# KiCad board SparkFun_GNSS_ZED-X20P_panelized.kicad_pcb (continued)
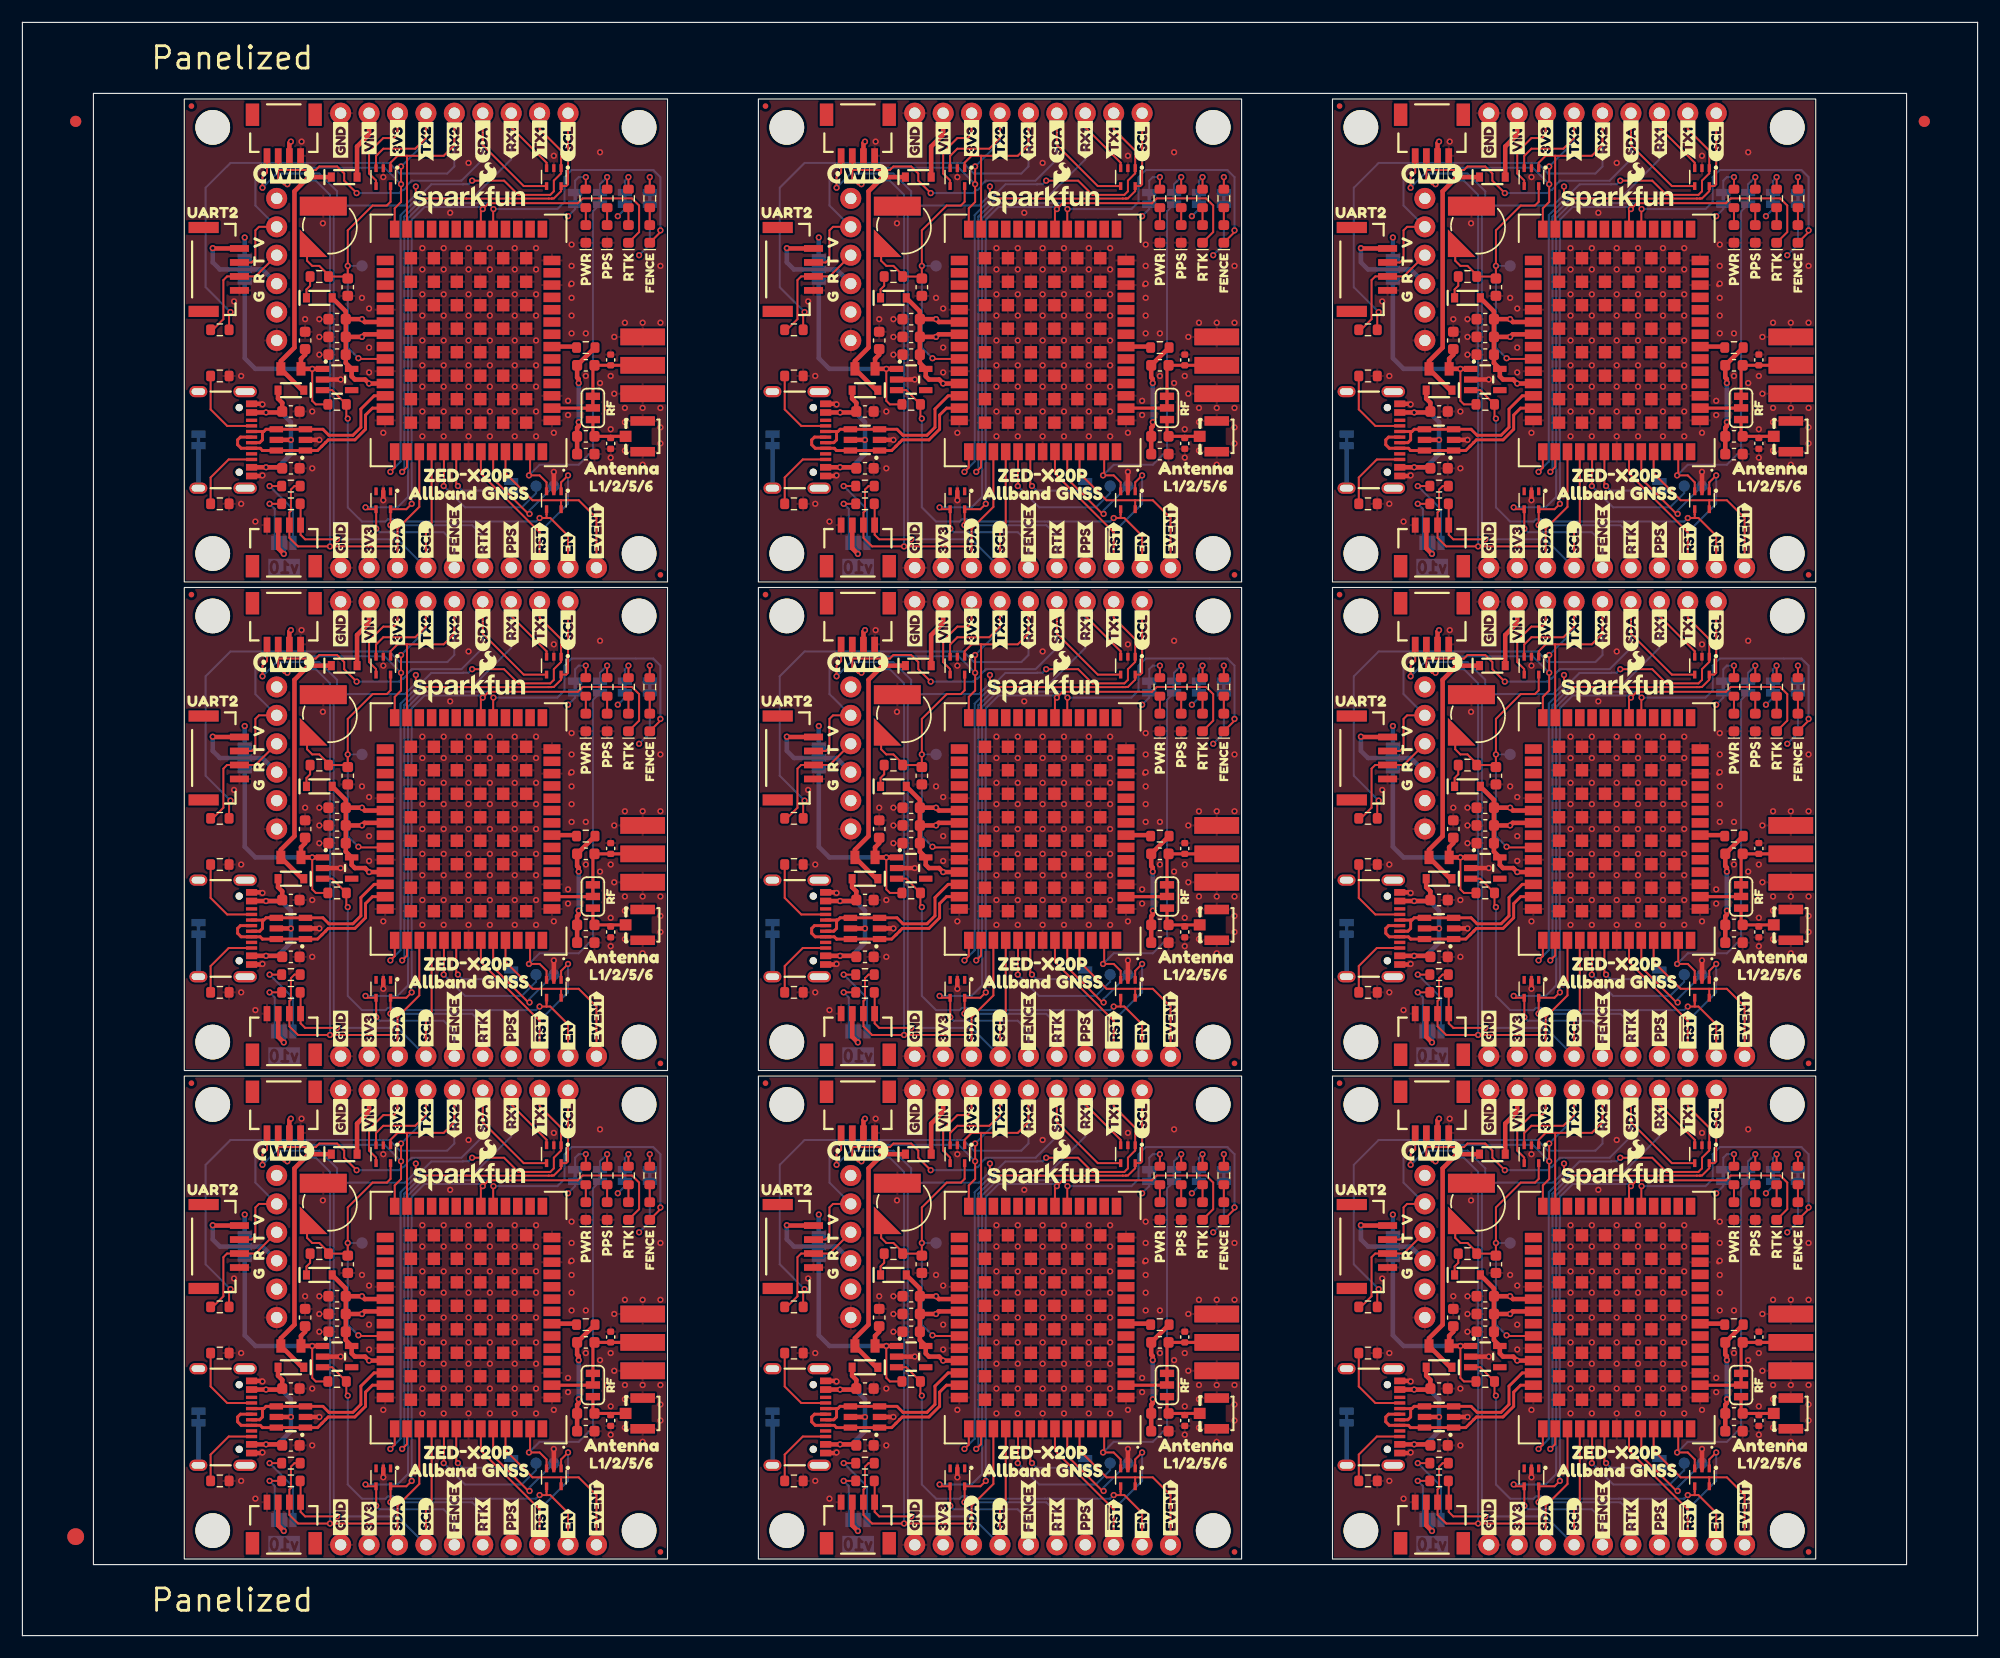
[diagram p0: board, top side]
## Nets (continued)
GND: BT1.- BT1#2.- BT1#3.- BT1#4.- BT1#5.- BT1#6.- BT1#7.- BT1#8.- BT1#9.- C1.2 C1#2.2 C1#3.2 C1#4.2 C1#5.2 C1#6.2 C1#7.2 C1#8.2 C1#9.2 C2.2 C2#2.2 C2#3.2 C2#4.2 C2#5.2 C2#6.2 C2#7.2 C2#8.2 C2#9.2 C3.2 C3#2.2 C3#3.2 C3#4.2 C3#5.2 C3#6.2 C3#7.2 C3#8.2 C3#9.2 C5.2 C5#2.2 C5#3.2 C5#4.2 C5#5.2 C5#6.2 C5#7.2 C5#8.2 C5#9.2 C7.2 C7#2.2 C7#3.2 C7#4.2 C7#5.2 C7#6.2 C7#7.2 C7#8.2 C7#9.2 C8.2 C8#2.2 C8#3.2 C8#4.2 C8#5.2 C8#6.2 C8#7.2 C8#8.2 C8#9.2 C9.2 C9#2.2 C9#3.2 C9#4.2 C9#5.2 C9#6.2 C9#7.2 C9#8.2 C9#9.2 C13.2 C13#2.2 C13#3.2 C13#4.2 C13#5.2 C13#6.2 C13#7.2 C13#8.2 C13#9.2 D1.1 D1#2.1 D1#3.1 D1#4.1 D1#5.1 D1#6.1 D1#7.1 D1#8.1 D1#9.1 D3.1 D3#2.1 D3#3.1 D3#4.1 D3#5.1 D3#6.1 D3#7.1 D3#8.1 D3#9.1 D4.1 D4#2.1 D4#3.1 D4#4.1 D4#5.1 D4#6.1 D4#7.1 D4#8.1 D4#9.1 D8.2 D8#2.2 D8#3.2 D8#4.2 D8#5.2 D8#6.2 D8#7.2 D8#8.2 D8#9.2 D10.2 D10#2.2 D10#3.2 D10#4.2 D10#5.2 D10#6.2 D10#7.2 D10#8.2 D10#9.2 D12.2 D12#2.2 D12#3.2 D12#4.2 D12#5.2 D12#6.2 D12#7.2 D12#8.2 D12#9.2 D13.2 D13#2.2 D13#3.2 D13#4.2 D13#5.2 D13#6.2 D13#7.2 D13#8.2 D13#9.2 D14.1 D14#2.1 D14#3.1 D14#4.1 D14#5.1 D14#6.1 D14#7.1 D14#8.1 D14#9.1 J1.GND J1#2.GND J1#3.GND J1#4.GND J1#5.GND J1#6.GND J1#7.GND J1#8.GND J1#9.GND J2.6 J2#2.6 J2#3.6 J2#4.6 J2#5.6 J2#6.6 J2#7.6 J2#8.6 J2#9.6 J3.9 J3#2.9 J3#3.9 J3#4.9 J3#5.9 J3#6.9 J3#7.9 J3#8.9 J3#9.9 J4.1 J4#2.1 J4#3.1 J4#4.1 J4#5.1 J4#6.1 J4#7.1 J4#8.1 J4#9.1 J5.2 J5#2.2 J5#3.2 J5#4.2 J5#5.2 J5#6.2 J5#7.2 J5#8.2 J5#9.2 J7.1 J7#2.1 J7#3.1 J7#4.1 J7#5.1 J7#6.1 J7#7.1 J7#8.1 J7#9.1 J8.4 J8#2.4 J8#3.4 J8#4.4 J8#5.4 J8#6.4 J8#7.4 J8#8.4 J8#9.4 J9.1 J9#2.1 J9#3.1 J9#4.1 J9#5.1 J9#6.1 J9#7.1 J9#8.1 J9#9.1 J10.2 J10#2.2 J10#3.2 J10#4.2 J10#5.2 J10#6.2 J10#7.2 J10#8.2 J10#9.2 JP7.1 JP7#2.1 JP7#3.1 JP7#4.1 JP7#5.1 JP7#6.1 JP7#7.1 JP7#8.1 JP7#9.1 JP10.1 JP10#2.1 JP10#3.1 JP10#4.1 JP10#5.1 JP10#6.1 JP10#7.1 JP10#8.1 JP10#9.1 R1.1 R1#2.1 R1#3.1 R1#4.1 R1#5.1 R1#6.1 R1#7.1 R1#8.1 R1#9.1 R2.1 R2#2.1 R2#3.1 R2#4.1 R2#5.1 R2#6.1 R2#7.1 R2#8.1 R2#9.1 U1.2 U1#2.2 U1#3.2 U1#4.2 U1#5.2 U1#6.2 U1#7.2 U1#8.2 U1#9.2 U2.2 U2#2.2 U2#3.2 U2#4.2 U2#5.2 U2#6.2 U2#7.2 U2#8.2 U2#9.2 U5.1 U5.3 U5.12 U5.14 U5.32 U5.37 U5.41 U5.48 U5.55 U5.56 U5.57 U5.58 U5.59 U5.60 U5.61 U5.62 U5.63 U5.64 U5.65 U5.66 U5.67 U5.68 U5.69 U5.70 U5.71 U5.72 U5.73 U5.74 U5.75 U5.76 U5.77 U5.78 U5.79 U5.80 U5.81 U5.82 U5.83 U5.84 U5.85 U5.86 U5.87 U5.88 U5.89 U5.90 U5.91 U5.92 U5.93 U5.94 U5.95 U5.96 U5.97 U5.98 U5.99 U5.100 U5.101 U5.102 U5#2.1 U5#2.3 U5#2.12 U5#2.14 U5#2.32 U5#2.37 U5#2.41 U5#2.48 U5#2.55 U5#2.56 U5#2.57 U5#2.58 U5#2.59 U5#2.60 U5#2.61 U5#2.62 U5#2.63 U5#2.64 U5#2.65 U5#2.66 U5#2.67 U5#2.68 U5#2.69 U5#2.70 U5#2.71 U5#2.72 U5#2.73 U5#2.74 U5#2.75 U5#2.76 U5#2.77 U5#2.78 U5#2.79 U5#2.80 U5#2.81 U5#2.82 U5#2.83 U5#2.84 U5#2.85 U5#2.86 U5#2.87 U5#2.88 U5#2.89 U5#2.90 U5#2.91 U5#2.92 U5#2.93 U5#2.94 U5#2.95 U5#2.96 U5#2.97 U5#2.98 U5#2.99 U5#2.100 U5#2.101 U5#2.102 U5#3.1 U5#3.3 U5#3.12 U5#3.14 U5#3.32 U5#3.37 U5#3.41 U5#3.48 U5#3.55 U5#3.56 U5#3.57 U5#3.58 U5#3.59 U5#3.60 U5#3.61 U5#3.62 U5#3.63 U5#3.64 U5#3.65 U5#3.66 U5#3.67 U5#3.68 U5#3.69 U5#3.70 U5#3.71 U5#3.72 U5#3.73 U5#3.74 U5#3.75 U5#3.76 U5#3.77 U5#3.78 U5#3.79 U5#3.80 U5#3.81 U5#3.82 U5#3.83 U5#3.84 U5#3.85 U5#3.86 U5#3.87 U5#3.88 U5#3.89 U5#3.90 U5#3.91 U5#3.92 U5#3.93 U5#3.94 U5#3.95 U5#3.96 U5#3.97 U5#3.98 U5#3.99 U5#3.100 U5#3.101 U5#3.102 U5#4.1 U5#4.3 U5#4.12 U5#4.14 U5#4.32 U5#4.37 U5#4.41 U5#4.48 U5#4.55 U5#4.56 U5#4.57 U5#4.58 U5#4.59 U5#4.60 U5#4.61 U5#4.62 U5#4.63 U5#4.64 U5#4.65 U5#4.66 U5#4.67 U5#4.68 U5#4.69 U5#4.70 U5#4.71 U5#4.72 U5#4.73 U5#4.74 U5#4.75 U5#4.76 U5#4.77 U5#4.78 U5#4.79 U5#4.80 U5#4.81 U5#4.82 U5#4.83 U5#4.84 U5#4.85 U5#4.86 U5#4.87 U5#4.88 U5#4.89 U5#4.90 U5#4.91 U5#4.92 U5#4.93 U5#4.94 U5#4.95 U5#4.96 U5#4.97 U5#4.98 U5#4.99 U5#4.100 U5#4.101 U5#4.102 U5#5.1 U5#5.3 U5#5.12 U5#5.14 U5#5.32 U5#5.37 U5#5.41 U5#5.48 U5#5.55 U5#5.56 U5#5.57 U5#5.58 U5#5.59 U5#5.60 U5#5.61 U5#5.62 U5#5.63 U5#5.64 U5#5.65 U5#5.66 U5#5.67 U5#5.68 U5#5.69 U5#5.70 U5#5.71 U5#5.72 U5#5.73 U5#5.74 U5#5.75 U5#5.76 U5#5.77 U5#5.78 U5#5.79 U5#5.80 U5#5.81 U5#5.82 U5#5.83 U5#5.84 U5#5.85 U5#5.86 U5#5.87 U5#5.88 U5#5.89 U5#5.90 U5#5.91 U5#5.92 U5#5.93 U5#5.94 U5#5.95 U5#5.96 U5#5.97 U5#5.98 U5#5.99 U5#5.100 U5#5.101 U5#5.102 U5#6.1 U5#6.3 U5#6.12 U5#6.14 U5#6.32 U5#6.37 U5#6.41 U5#6.48 U5#6.55 U5#6.56 U5#6.57 U5#6.58 U5#6.59 U5#6.60 U5#6.61 U5#6.62 U5#6.63 U5#6.64 U5#6.65 U5#6.66 U5#6.67 U5#6.68 U5#6.69 U5#6.70 U5#6.71 U5#6.72 U5#6.73 U5#6.74 U5#6.75 U5#6.76 U5#6.77 U5#6.78 U5#6.79 U5#6.80 U5#6.81 U5#6.82 U5#6.83 U5#6.84 U5#6.85 U5#6.86 U5#6.87 U5#6.88 U5#6.89 U5#6.90 U5#6.91 U5#6.92 U5#6.93 U5#6.94 U5#6.95 U5#6.96 U5#6.97 U5#6.98 U5#6.99 U5#6.100 U5#6.101 U5#6.102 U5#7.1 U5#7.3 U5#7.12 U5#7.14 U5#7.32 U5#7.37 U5#7.41 U5#7.48 U5#7.55 U5#7.56 U5#7.57 U5#7.58 U5#7.59 U5#7.60 U5#7.61 U5#7.62 U5#7.63 U5#7.64 U5#7.65 U5#7.66 U5#7.67 U5#7.68 U5#7.69 U5#7.70 U5#7.71 U5#7.72 U5#7.73 U5#7.74 U5#7.75 U5#7.76 U5#7.77 U5#7.78 U5#7.79 U5#7.80 U5#7.81 U5#7.82 U5#7.83 U5#7.84 U5#7.85 U5#7.86 U5#7.87 U5#7.88 U5#7.89 U5#7.90 U5#7.91 U5#7.92 U5#7.93 U5#7.94 U5#7.95 U5#7.96 U5#7.97 U5#7.98 U5#7.99 U5#7.100 U5#7.101 U5#7.102 U5#8.1 U5#8.3 U5#8.12 U5#8.14 U5#8.32 U5#8.37 U5#8.41 U5#8.48 U5#8.55 U5#8.56 U5#8.57 U5#8.58 U5#8.59 U5#8.60 U5#8.61 U5#8.62 U5#8.63 U5#8.64 U5#8.65 U5#8.66 U5#8.67 U5#8.68 U5#8.69 U5#8.70 U5#8.71 U5#8.72 U5#8.73 U5#8.74 U5#8.75 U5#8.76 U5#8.77 U5#8.78 U5#8.79 U5#8.80 U5#8.81 U5#8.82 U5#8.83 U5#8.84 U5#8.85 U5#8.86 U5#8.87 U5#8.88 U5#8.89 U5#8.90 U5#8.91 U5#8.92 U5#8.93 U5#8.94 U5#8.95 U5#8.96 U5#8.97 U5#8.98 U5#8.99 U5#8.100 U5#8.101 U5#8.102 U5#9.1 U5#9.3 U5#9.12 U5#9.14 U5#9.32 U5#9.37 U5#9.41 U5#9.48 U5#9.55 U5#9.56 U5#9.57 U5#9.58 U5#9.59 U5#9.60 U5#9.61 U5#9.62 U5#9.63 U5#9.64 U5#9.65 U5#9.66 U5#9.67 U5#9.68 U5#9.69 U5#9.70 U5#9.71 U5#9.72 U5#9.73 U5#9.74 U5#9.75 U5#9.76 U5#9.77 U5#9.78 U5#9.79 U5#9.80 U5#9.81 U5#9.82 U5#9.83 U5#9.84 U5#9.85 U5#9.86 U5#9.87 U5#9.88 U5#9.89 U5#9.90 U5#9.91 U5#9.92 U5#9.93 U5#9.94 U5#9.95 U5#9.96 U5#9.97 U5#9.98 U5#9.99 U5#9.100 U5#9.101 U5#9.102
VCC_RF: R6.1 R6#2.1 R6#3.1 R6#4.1 R6#5.1 R6#6.1 R6#7.1 R6#8.1 R6#9.1 U5.7 U5#2.7 U5#3.7 U5#4.7 U5#5.7 U5#6.7 U5#7.7 U5#8.7 U5#9.7
VIN: D7.2 D7#2.2 D7#3.2 D7#4.2 D7#5.2 D7#6.2 D7#7.2 D7#8.2 D7#9.2 J3.8 J3#2.8 J3#3.8 J3#4.8 J3#5.8 J3#6.8 J3#7.8 J3#8.8 J3#9.8
EVENT: D12.5 D12#2.5 D12#3.5 D12#4.5 D12#5.5 D12#6.5 D12#7.5 D12#8.5 D12#9.5 J11.6 J11#2.6 J11#3.6 J11#4.6 J11#5.6 J11#6.6 J11#7.6 J11#8.6 J11#9.6 U5.51 U5#2.51 U5#3.51 U5#4.51 U5#5.51 U5#6.51 U5#7.51 U5#8.51 U5#9.51
GEO_STAT: D9.1 D9#2.1 D9#3.1 D9#4.1 D9#5.1 D9#6.1 D9#7.1 D9#8.1 D9#9.1 D13.4 D13#2.4 D13#3.4 D13#4.4 D13#5.4 D13#6.4 D13#7.4 D13#8.4 D13#9.4 J11.1 J11#2.1 J11#3.1 J11#4.1 J11#5.1 J11#6.1 J11#7.1 J11#8.1 J11#9.1 U5.19 U5#2.19 U5#3.19 U5#4.19 U5#5.19 U5#6.19 U5#7.19 U5#8.19 U5#9.19
HV-RX2: J2.3 J2#2.3 J2#3.3 J2#4.3 J2#5.3 J2#6.3 J2#7.3 J2#8.3 J2#9.3 J8.3 J8#2.3 J8#3.3 J8#4.3 J8#5.3 J8#6.3 J8#7.3 J8#8.3 J8#9.3 R8.1 R8#2.1 R8#3.1 R8#4.1 R8#5.1 R8#6.1 R8#7.1 R8#8.1 R8#9.1
PPS: D12.3 D12#2.3 D12#3.3 D12#4.3 D12#5.3 D12#6.3 D12#7.3 D12#8.3 D12#9.3 J11.3 J11#2.3 J11#3.3 J11#4.3 J11#5.3 J11#6.3 J11#7.3 J11#8.3 J11#9.3 JP3.2 JP3#2.2 JP3#3.2 JP3#4.2 JP3#5.2 JP3#6.2 JP3#7.2 JP3#8.2 JP3#9.2 U5.53 U5#2.53 U5#3.53 U5#4.53 U5#5.53 U5#6.53 U5#7.53 U5#8.53 U5#9.53
RF_IN: JP1.2 JP1#2.2 JP1#3.2 JP1#4.2 JP1#5.2 JP1#6.2 JP1#7.2 JP1#8.2 JP1#9.2 U5.2 U5#2.2 U5#3.2 U5#4.2 U5#5.2 U5#6.2 U5#7.2 U5#8.2 U5#9.2
RTK_STAT: D2.1 D2#2.1 D2#3.1 D2#4.1 D2#5.1 D2#6.1 D2#7.1 D2#8.1 D2#9.1 D13.5 D13#2.5 D13#3.5 D13#4.5 D13#5.5 D13#6.5 D13#7.5 D13#8.5 D13#9.5 J11.2 J11#2.2 J11#3.2 J11#4.2 J11#5.2 J11#6.2 J11#7.2 J11#8.2 J11#9.2 U5.20 U5#2.20 U5#3.20 U5#4.20 U5#5.20 U5#6.20 U5#7.20 U5#8.20 U5#9.20
RX1/PICO: D10.3 D10#2.3 D10#3.3 D10#4.3 D10#5.3 D10#6.3 D10#7.3 D10#8.3 D10#9.3 J3.3 J3#2.3 J3#3.3 J3#4.3 J3#5.3 J3#6.3 J3#7.3 J3#8.3 J3#9.3 U5.43 U5#2.43 U5#3.43 U5#4.43 U5#5.43 U5#6.43 U5#7.43 U5#8.43 U5#9.43
RX2: D8.1 D8#2.1 D8#3.1 D8#4.1 D8#5.1 D8#6.1 D8#7.1 D8#8.1 D8#9.1 J3.5 J3#2.5 J3#3.5 J3#4.5 J3#5.5 J3#6.5 J3#7.5 J3#8.5 J3#9.5 R8.2 R8#2.2 R8#3.2 R8#4.2 R8#5.2 R8#6.2 R8#7.2 R8#8.2 R8#9.2 U5.26 U5#2.26 U5#3.26 U5#4.26 U5#5.26 U5#6.26 U5#7.26 U5#8.26 U5#9.26
SCL/SCK: D10.5 D10#2.5 D10#3.5 D10#4.5 D10#5.5 D10#6.5 D10#7.5 D10#8.5 D10#9.5 J3.1 J3#2.1 J3#3.1 J3#4.1 J3#5.1 J3#6.1 J3#7.1 J3#8.1 J3#9.1 J4.4 J4#2.4 J4#3.4 J4#4.4 J4#5.4 J4#6.4 J4#7.4 J4#8.4 J4#9.4 J7.4 J7#2.4 J7#3.4 J7#4.4 J7#5.4 J7#6.4 J7#7.4 J7#8.4 J7#9.4 J9.4 J9#2.4 J9#3.4 J9#4.4 J9#5.4 J9#6.4 J9#7.4 J9#8.4 J9#9.4 R12.2 R12#2.2 R12#3.2 R12#4.2 R12#5.2 R12#6.2 R12#7.2 R12#8.2 R12#9.2 U5.45 U5#2.45 U5#3.45 U5#4.45 U5#5.45 U5#6.45 U5#7.45 U5#8.45 U5#9.45
SDA/~{CS}: D10.4 D10#2.4 D10#3.4 D10#4.4 D10#5.4 D10#6.4 D10#7.4 D10#8.4 D10#9.4 J3.4 J3#2.4 J3#3.4 J3#4.4 J3#5.4 J3#6.4 J3#7.4 J3#8.4 J3#9.4 J4.3 J4#2.3 J4#3.3 J4#4.3 J4#5.3 J4#6.3 J4#7.3 J4#8.3 J4#9.3 J7.3 J7#2.3 J7#3.3 J7#4.3 J7#5.3 J7#6.3 J7#7.3 J7#8.3 J7#9.3 J9.3 J9#2.3 J9#3.3 J9#4.3 J9#5.3 J9#6.3 J9#7.3 J9#8.3 J9#9.3 R13.2 R13#2.2 R13#3.2 R13#4.2 R13#5.2 R13#6.2 R13#7.2 R13#8.2 R13#9.2 U5.44 U5#2.44 U5#3.44 U5#4.44 U5#5.44 U5#6.44 U5#7.44 U5#8.44 U5#9.44
TX1/POCI: D10.1 D10#2.1 D10#3.1 D10#4.1 D10#5.1 D10#6.1 D10#7.1 D10#8.1 D10#9.1 J3.2 J3#2.2 J3#3.2 J3#4.2 J3#5.2 J3#6.2 J3#7.2 J3#8.2 J3#9.2 U5.42 U5#2.42 U5#3.42 U5#4.42 U5#5.42 U5#6.42 U5#7.42 U5#8.42 U5#9.42
TX2: D8.3 D8#2.3 D8#3.3 D8#4.3 D8#5.3 D8#6.3 D8#7.3 D8#8.3 D8#9.3 J2.2 J2#2.2 J2#3.2 J2#4.2 J2#5.2 J2#6.2 J2#7.2 J2#8.2 J2#9.2 J3.6 J3#2.6 J3#3.6 J3#4.6 J3#5.6 J3#6.6 J3#7.6 J3#8.6 J3#9.6 J8.2 J8#2.2 J8#3.2 J8#4.2 J8#5.2 J8#6.2 J8#7.2 J8#8.2 J8#9.2 U5.27 U5#2.27 U5#3.27 U5#4.27 U5#5.27 U5#6.27 U5#7.27 U5#8.27 U5#9.27
TX_READY: TP1.1 TP1#2.1 TP1#3.1 TP1#4.1 TP1#5.1 TP1#6.1 TP1#7.1 TP1#8.1 TP1#9.1 U5.46 U5#2.46 U5#3.46 U5#4.46 U5#5.46 U5#6.46 U5#7.46 U5#8.46 U5#9.46
USB_D+: J1.A6 J1.B6 J1#2.A6 J1#2.B6 J1#3.A6 J1#3.B6 J1#4.A6 J1#4.B6 J1#5.A6 J1#5.B6 J1#6.A6 J1#6.B6 J1#7.A6 J1#7.B6 J1#8.A6 J1#8.B6 J1#9.A6 J1#9.B6 U1.1 U1.6 U1#2.1 U1#2.6 U1#3.1 U1#3.6 U1#4.1 U1#4.6 U1#5.1 U1#5.6 U1#6.1 U1#6.6 U1#7.1 U1#7.6 U1#8.1 U1#8.6 U1#9.1 U1#9.6 U5.40 U5#2.40 U5#3.40 U5#4.40 U5#5.40 U5#6.40 U5#7.40 U5#8.40 U5#9.40
USB_D-: J1.A7 J1.B7 J1#2.A7 J1#2.B7 J1#3.A7 J1#3.B7 J1#4.A7 J1#4.B7 J1#5.A7 J1#5.B7 J1#6.A7 J1#6.B7 J1#7.A7 J1#7.B7 J1#8.A7 J1#8.B7 J1#9.A7 J1#9.B7 U1.3 U1.4 U1#2.3 U1#2.4 U1#3.3 U1#3.4 U1#4.3 U1#4.4 U1#5.3 U1#5.4 U1#6.3 U1#6.4 U1#7.3 U1#7.4 U1#8.3 U1#8.4 U1#9.3 U1#9.4 U5.39 U5#2.39 U5#3.39 U5#4.39 U5#5.39 U5#6.39 U5#7.39 U5#8.39 U5#9.39
V_BCKP: BT1.+ BT1#2.+ BT1#3.+ BT1#4.+ BT1#5.+ BT1#6.+ BT1#7.+ BT1#8.+ BT1#9.+ C9.1 C9#2.1 C9#3.1 C9#4.1 C9#5.1 C9#6.1 C9#7.1 C9#8.1 C9#9.1 D8.5 D8#2.5 D8#3.5 D8#4.5 D8#5.5 D8#6.5 D8#7.5 D8#8.5 D8#9.5 R7.1 R7#2.1 R7#3.1 R7#4.1 R7#5.1 R7#6.1 R7#7.1 R7#8.1 R7#9.1 TP2.1 TP2#2.1 TP2#3.1 TP2#4.1 TP2#5.1 TP2#6.1 TP2#7.1 TP2#8.1 TP2#9.1 U5.36 U5#2.36 U5#3.36 U5#4.36 U5#5.36 U5#6.36 U5#7.36 U5#8.36 U5#9.36
VOUT: J2.4 J2#2.4 J2#3.4 J2#4.4 J2#5.4 J2#6.4 J2#7.4 J2#8.4 J2#9.4 J8.1 J8#2.1 J8#3.1 J8#4.1 J8#5.1 J8#6.1 J8#7.1 J8#8.1 J8#9.1 JP4.2 JP4#2.2 JP4#3.2 JP4#4.2 JP4#5.2 JP4#6.2 JP4#7.2 JP4#8.2 JP4#9.2
VUSB: C7.1 C7#2.1 C7#3.1 C7#4.1 C7#5.1 C7#6.1 C7#7.1 C7#8.1 C7#9.1 C13.1 C13#2.1 C13#3.1 C13#4.1 C13#5.1 C13#6.1 C13#7.1 C13#8.1 C13#9.1 D6.2 D6#2.2 D6#3.2 D6#4.2 D6#5.2 D6#6.2 D6#7.2 D6#8.2 D6#9.2 J1.VBUS J1#2.VBUS J1#3.VBUS J1#4.VBUS J1#5.VBUS J1#6.VBUS J1#7.VBUS J1#8.VBUS J1#9.VBUS U1.5 U1#2.5 U1#3.5 U1#4.5 U1#5.5 U1#6.5 U1#7.5 U1#8.5 U1#9.5
~{RESET}: D12.1 D12#2.1 D12#3.1 D12#4.1 D12#5.1 D12#6.1 D12#7.1 D12#8.1 D12#9.1 J11.4 J11#2.4 J11#3.4 J11#4.4 J11#5.4 J11#6.4 J11#7.4 J11#8.4 J11#9.4 U5.49 U5#2.49 U5#3.49 U5#4.49 U5#5.49 U5#6.49 U5#7.49 U5#8.49 U5#9.49
~{SAFEBOOT}: TP4.1 TP4#2.1 TP4#3.1 TP4#4.1 TP4#5.1 TP4#6.1 TP4#7.1 TP4#8.1 TP4#9.1 U5.50 U5#2.50 U5#3.50 U5#4.50 U5#5.50 U5#6.50 U5#7.50 U5#8.50 U5#9.50
Net-(C3-Pad1): C3.1 C3#2.1 C3#3.1 C3#4.1 C3#5.1 C3#6.1 C3#7.1 C3#8.1 C3#9.1 L1.2 L1#2.2 L1#3.2 L1#4.2 L1#5.2 L1#6.2 L1#7.2 L1#8.2 L1#9.2 L2.2 L2#2.2 L2#3.2 L2#4.2 L2#5.2 L2#6.2 L2#7.2 L2#8.2 L2#9.2 R6.2 R6#2.2 R6#3.2 R6#4.2 R6#5.2 R6#6.2 R6#7.2 R6#8.2 R6#9.2
Net-(D1-A): D1.2 D1#2.2 D1#3.2 D1#4.2 D1#5.2 D1#6.2 D1#7.2 D1#8.2 D1#9.2 R4.1 R4#2.1 R4#3.1 R4#4.1 R4#5.1 R4#6.1 R4#7.1 R4#8.1 R4#9.1
Net-(D2-A): D2.2 D2#2.2 D2#3.2 D2#4.2 D2#5.2 D2#6.2 D2#7.2 D2#8.2 D2#9.2 R3.1 R3#2.1 R3#3.1 R3#4.1 R3#5.1 R3#6.1 R3#7.1 R3#8.1 R3#9.1
Net-(D3-A2): D3.2 D3#2.2 D3#3.2 D3#4.2 D3#5.2 D3#6.2 D3#7.2 D3#8.2 D3#9.2 J5.1 J5#2.1 J5#3.1 J5#4.1 J5#5.1 J5#6.1 J5#7.1 J5#8.1 J5#9.1 JP1.1 JP1#2.1 JP1#3.1 JP1#4.1 JP1#5.1 JP1#6.1 JP1#7.1 JP1#8.1 JP1#9.1 L1.1 L1#2.1 L1#3.1 L1#4.1 L1#5.1 L1#6.1 L1#7.1 L1#8.1 L1#9.1
Net-(D4-A): D4.2 D4#2.2 D4#3.2 D4#4.2 D4#5.2 D4#6.2 D4#7.2 D4#8.2 D4#9.2 R5.1 R5#2.1 R5#3.1 R5#4.1 R5#5.1 R5#6.1 R5#7.1 R5#8.1 R5#9.1
Net-(D5-K): D5.1 D5#2.1 D5#3.1 D5#4.1 D5#5.1 D5#6.1 D5#7.1 D5#8.1 D5#9.1 R7.2 R7#2.2 R7#3.2 R7#4.2 R7#5.2 R7#6.2 R7#7.2 R7#8.2 R7#9.2
Net-(D6-K): D6.1 D6#2.1 D6#3.1 D6#4.1 D6#5.1 D6#6.1 D6#7.1 D6#8.1 D6#9.1 D7.1 D7#2.1 D7#3.1 D7#4.1 D7#5.1 D7#6.1 D7#7.1 D7#8.1 D7#9.1 F1.2 F1#2.2 F1#3.2 F1#4.2 F1#5.2 F1#6.2 F1#7.2 F1#8.2 F1#9.2
Net-(D9-A): D9.2 D9#2.2 D9#3.2 D9#4.2 D9#5.2 D9#6.2 D9#7.2 D9#8.2 D9#9.2 R11.1 R11#2.1 R11#3.1 R11#4.1 R11#5.1 R11#6.1 R11#7.1 R11#8.1 R11#9.1
Net-(D14-A2): D14.2 D14#2.2 D14#3.2 D14#4.2 D14#5.2 D14#6.2 D14#7.2 D14#8.2 D14#9.2 J10.1 J10#2.1 J10#3.1 J10#4.1 J10#5.1 J10#6.1 J10#7.1 J10#8.1 J10#9.1 JP1.3 JP1#2.3 JP1#3.3 JP1#4.3 JP1#5.3 JP1#6.3 JP1#7.3 JP1#8.3 JP1#9.3 L2.1 L2#2.1 L2#3.1 L2#4.1 L2#5.1 L2#6.1 L2#7.1 L2#8.1 L2#9.1
Net-(J1-CC1): J1.A5 J1#2.A5 J1#3.A5 J1#4.A5 J1#5.A5 J1#6.A5 J1#7.A5 J1#8.A5 J1#9.A5 R2.2 R2#2.2 R2#3.2 R2#4.2 R2#5.2 R2#6.2 R2#7.2 R2#8.2 R2#9.2
Net-(J1-CC2): J1.B5 J1#2.B5 J1#3.B5 J1#4.B5 J1#5.B5 J1#6.B5 J1#7.B5 J1#8.B5 J1#9.B5 R1.2 R1#2.2 R1#3.2 R1#4.2 R1#5.2 R1#6.2 R1#7.2 R1#8.2 R1#9.2
Net-(J1-SHIELD): J1.S J1#2.S J1#3.S J1#4.S J1#5.S J1#6.S J1#7.S J1#8.S J1#9.S JP7.2 JP7#2.2 JP7#3.2 JP7#4.2 JP7#5.2 JP7#6.2 JP7#7.2 JP7#8.2 JP7#9.2
Net-(JP2-A): JP2.1 JP2#2.1 JP2#3.1 JP2#4.1 JP2#5.1 JP2#6.1 JP2#7.1 JP2#8.1 JP2#9.1 R4.2 R4#2.2 R4#3.2 R4#4.2 R4#5.2 R4#6.2 R4#7.2 R4#8.2 R4#9.2
Net-(JP3-A): JP3.1 JP3#2.1 JP3#3.1 JP3#4.1 JP3#5.1 JP3#6.1 JP3#7.1 JP3#8.1 JP3#9.1 R5.2 R5#2.2 R5#3.2 R5#4.2 R5#5.2 R5#6.2 R5#7.2 R5#8.2 R5#9.2
Net-(JP5-A): JP5.1 JP5#2.1 JP5#3.1 JP5#4.1 JP5#5.1 JP5#6.1 JP5#7.1 JP5#8.1 JP5#9.1 R3.2 R3#2.2 R3#3.2 R3#4.2 R3#5.2 R3#6.2 R3#7.2 R3#8.2 R3#9.2
Net-(JP8-A): JP8.1 JP8#2.1 JP8#3.1 JP8#4.1 JP8#5.1 JP8#6.1 JP8#7.1 JP8#8.1 JP8#9.1 R11.2 R11#2.2 R11#3.2 R11#4.2 R11#5.2 R11#6.2 R11#7.2 R11#8.2 R11#9.2
Net-(JP9-A): JP9.1 JP9#2.1 JP9#3.1 JP9#4.1 JP9#5.1 JP9#6.1 JP9#7.1 JP9#8.1 JP9#9.1 R13.1 R13#2.1 R13#3.1 R13#4.1 R13#5.1 R13#6.1 R13#7.1 R13#8.1 R13#9.1
Net-(JP9-C): JP9.3 JP9#2.3 JP9#3.3 JP9#4.3 JP9#5.3 JP9#6.3 JP9#7.3 JP9#8.3 JP9#9.3 R12.1 R12#2.1 R12#3.1 R12#4.1 R12#5.1 R12#6.1 R12#7.1 R12#8.1 R12#9.1
Net-(JP10-B): JP10.2 JP10#2.2 JP10#3.2 JP10#4.2 JP10#5.2 JP10#6.2 JP10#7.2 JP10#8.2 JP10#9.2 U5.47 U5#2.47 U5#3.47 U5#4.47 U5#5.47 U5#6.47 U5#7.47 U5#8.47 U5#9.47

Pads without a net: D13 1 3; D13#2 1 3; D13#3 1 3; D13#4 1 3; D13#5 1 3; D13#6 1 3; D13#7 1 3; D13#8 1 3; D13#9 1 3; J1 A8 B8 NC1 NC2 NC3; J1#2 A8 B8 NC1 NC2 NC3; J1#3 A8 B8 NC1 NC2 NC3; J1#4 A8 B8 NC1 NC2 NC3; J1#5 A8 B8 NC1 NC2 NC3; J1#6 A8 B8 NC1 NC2 NC3; J1#7 A8 B8 NC1 NC2 NC3; J1#8 A8 B8 NC1 NC2 NC3; J1#9 A8 B8 NC1 NC2 NC3; J2 1 5; J2#2 1 5; J2#3 1 5; J2#4 1 5; J2#5 1 5; J2#6 1 5; J2#7 1 5; J2#8 1 5; J2#9 1 5; J4 NC1 NC2; J4#2 NC1 NC2; J4#3 NC1 NC2; J4#4 NC1 NC2; J4#5 NC1 NC2; J4#6 NC1 NC2; J4#7 NC1 NC2; J4#8 NC1 NC2; J4#9 NC1 NC2; J7 NC1 NC2; J7#2 NC1 NC2; J7#3 NC1 NC2; J7#4 NC1 NC2; J7#5 NC1 NC2; J7#6 NC1 NC2; J7#7 NC1 NC2; J7#8 NC1 NC2; J7#9 NC1 NC2; J8 NC1 NC2; J8#2 NC1 NC2; J8#3 NC1 NC2; J8#4 NC1 NC2; J8#5 NC1 NC2; J8#6 NC1 NC2; J8#7 NC1 NC2; J8#8 NC1 NC2; J8#9 NC1 NC2; U2 4; U2#2 4; U2#3 4; U2#4 4; U2#5 4; U2#6 4; U2#7 4; U2#8 4; U2#9 4; U5 4 5 6 8 9 10 11 13 15 16 17 18 21 22 23 24 25 28 29 30 31 35 52 54; U5#2 4 5 6 8 9 10 11 13 15 16 17 18 21 22 23 24 25 28 29 30 31 35 52 54; U5#3 4 5 6 8 9 10 11 13 15 16 17 18 21 22 23 24 25 28 29 30 31 35 52 54; U5#4 4 5 6 8 9 10 11 13 15 16 17 18 21 22 23 24 25 28 29 30 31 35 52 54; U5#5 4 5 6 8 9 10 11 13 15 16 17 18 21 22 23 24 25 28 29 30 31 35 52 54; U5#6 4 5 6 8 9 10 11 13 15 16 17 18 21 22 23 24 25 28 29 30 31 35 52 54; U5#7 4 5 6 8 9 10 11 13 15 16 17 18 21 22 23 24 25 28 29 30 31 35 52 54; U5#8 4 5 6 8 9 10 11 13 15 16 17 18 21 22 23 24 25 28 29 30 31 35 52 54; U5#9 4 5 6 8 9 10 11 13 15 16 17 18 21 22 23 24 25 28 29 30 31 35 52 54

## Via types
v1: diameter 0.56, hole 0.3, Top to Bottom, 1458 vias

## Routing (per net, layer and track width the routed paths; a pad name or vN(x,y) marks a point on that pad's centre or on a via; arc(x,y) is an arc through that point)
3.3V: length 374.3
  Top w0.178: D8#7.4 82.9,130.1 82.28,130.72 82.28,132.63 83.55,133.9 84.5,133.9 84.82,134.22 J3#6.7 ; J3#8.7 136.12,46.86 135.8,46.54 134.85,46.54 133.58,45.27 133.58,43.36 134.2,42.74 D8#9.4 ; J3#5.7 33.52,134.22 33.2,133.9 32.25,133.9 30.98,132.63 30.98,130.72 31.6,130.1 D8#2.4 ; D8#3.4 82.9,86.42 82.28,87.04 82.28,88.95 83.55,90.22 84.5,90.22 84.82,90.53 J3#2.7 ; D8.4 31.6,42.74 30.98,43.36 30.98,45.27 32.25,46.54 33.2,46.54 33.52,46.86 J3.7 ; D8#4.4 31.6,86.42 30.98,87.04 30.98,88.95 32.25,90.22 33.2,90.22 33.52,90.53 J3#3.7 ; J3#9.7 136.12,134.22 135.8,133.9 134.85,133.9 133.58,132.63 133.58,130.72 134.2,130.1 D8#8.4 ; J3#4.7 84.82,46.86 84.5,46.54 83.55,46.54 82.28,45.27 82.28,43.36 82.9,42.74 D8#5.4 ; J3#7.7 136.12,90.53 135.8,90.22 134.85,90.22 133.58,88.95 133.58,87.04 134.2,86.42 D8#6.4
  Top w0.406: C5#7.1 v1(132.94,72.44) 133.18,72.67 U5#7.34 ; C5#7.1 C2#9.1 131.5,70.1 U2#4.5 132.03,69.58 132.03,68.91 132.31,68.63 133.22,68.63 v1(133.58,68.27) U5#7.38 ; C5#7.1 C8#7.1 ; 32.42,117.45 30.6,117.45 v1(30.34,117.7) C8#9.1 ; C5#9.1 C2.1 28.9,26.42 U2.5 29.43,25.9 29.43,25.23 29.71,24.95 30.62,24.95 v1(30.98,24.59) U5.38 ; C5#9.1 C8.1 ; C5#9.1 v1(30.34,28.76) 30.58,28.99 U5.34 ; J7.2 23.86,46.09 v1(24,46.22) ; v1(125.96,9.36) 125.46,9.86 J4#8.2 ; v1(24,133.58) 23.86,133.44 J7#5.2 ; v1(75.3,89.9) 75.16,89.77 J7#6.2 ; C5.1 C8#9.1 ; C5.1 C2#7.1 28.9,113.78 U2#6.5 29.43,113.26 29.43,112.59 29.71,112.31 30.62,112.31 v1(30.98,111.95) U5#2.38 ; C5.1 v1(30.34,116.12) 30.58,116.35 U5#2.34 ; C8#9.1 28.9,118.4 D5#4.2 ; J7#8.2 126.46,89.77 v1(126.59,89.9) ; J7#9.2 126.46,133.44 v1(126.59,133.58) ; C5#3.1 v1(132.94,28.76) 133.18,28.99 U5#9.34 ; C5#3.1 C2#2.1 131.5,26.42 U2#8.5 132.03,25.9 132.03,25.23 132.31,24.95 133.22,24.95 v1(133.58,24.59) U5#9.38 ; C5#3.1 C8#8.1 ; v1(23.36,9.36) 22.86,9.86 J4.2 ; J4#5.2 22.86,97.22 v1(23.36,96.72) ; D5.2 28.9,31.04 C8.1 ; C8#3.1 v1(132.94,117.7) 133.2,117.45 135.02,117.45 ; C8#3.1 C5#8.1 ; C8#3.1 131.5,118.4 D5#7.2 ; C8.1 v1(30.34,30.34) 30.6,30.09 U5.33 ; D5#2.2 80.2,74.72 C8#4.1 ; C8#7.1 131.5,74.72 D5#9.2 ; C8#7.1 v1(132.94,74.03) 133.2,73.77 U5#7.33 ; v1(125.96,96.72) 125.46,97.22 J4#9.2 ; U5#6.34 133.18,116.35 v1(132.94,116.12) C5#8.1 ; v1(74.66,53.04) 74.16,53.54 J4#6.2 ; D5#6.2 80.2,118.4 C8#5.1 ; J7#7.2 126.46,46.09 v1(126.59,46.22) ; 83.72,24.59 v1(82.28,24.59) 81.92,24.95 81.01,24.95 80.73,25.23 80.73,25.9 U2#2.5 80.2,26.42 C2#6.1 C5#5.1 ; U5#6.38 v1(133.58,111.95) 133.22,112.31 132.31,112.31 132.03,112.59 132.03,113.26 U2#9.5 131.5,113.78 C2#3.1 C5#8.1 ; C8#4.1 v1(81.65,74.03) 81.9,73.77 83.72,73.77 ; C8#4.1 C5#2.1 ; C8#8.1 v1(132.94,30.34) 133.2,30.09 U5#9.33 ; C8#8.1 131.5,31.04 D5#8.2 ; C5#6.1 C8#5.1 ; C5#6.1 v1(81.65,116.12) 81.88,116.35 83.72,116.35 ; C5#6.1 C2#8.1 80.2,113.78 U2#3.5 80.73,113.26 80.73,112.59 81.01,112.31 81.92,112.31 v1(82.28,111.95) 83.72,111.95 ; C8#5.1 v1(81.65,117.7) 81.9,117.45 83.72,117.45 ; v1(125.96,53.04) 125.46,53.54 J4#2.2 ; U5#4.34 30.58,72.67 v1(30.34,72.44) C5#4.1 ; U5#4.38 v1(30.98,68.27) 30.62,68.63 29.71,68.63 29.43,68.91 29.43,69.58 U2#5.5 28.9,70.1 C2#4.1 C5#4.1 ; J4#3.2 74.16,97.22 v1(74.66,96.72) ; v1(74.66,9.36) 74.16,9.86 J4#7.2 ; J4#4.2 22.86,53.54 v1(23.36,53.04) ; C5#4.1 C8#2.1 ; C8#2.1 v1(30.34,74.03) 30.6,73.77 U5#4.33 ; C8#2.1 28.9,74.72 D5#3.2 ; C5#2.1 C2#5.1 80.2,70.1 U2#7.5 80.73,69.58 80.73,68.91 81.01,68.63 81.92,68.63 v1(82.28,68.27) 83.72,68.27 ; C5#2.1 v1(81.65,72.44) 81.88,72.67 83.72,72.67 ; 83.72,28.99 81.88,28.99 v1(81.65,28.76) C5#5.1 ; C8#6.1 v1(81.65,30.34) 81.9,30.09 83.72,30.09 ; C8#6.1 C5#5.1 ; C8#6.1 80.2,31.04 D5#5.2 ; J7#2.2 75.16,46.09 v1(75.3,46.22) ; v1(75.3,133.58) 75.16,133.44 J7#3.2 ; J7#4.2 23.86,89.77 v1(24,89.9)
  Bottom w0.178: v1(106.41,123.42) 107.36,124.37 JP8#3.2 106.93,127.98 ; v1(106.41,79.74) 107.36,80.69 JP8#6.2 106.93,84.3 ; JP2.2 49.4,83.87 v1(48.76,83.23) ; JP2#9.2 49.4,40.19 v1(48.76,39.55) ; JP2#4.2 49.4,127.55 v1(48.76,126.91) ; JP5#5.2 105.14,83.87 v1(104.5,83.23) ; 158.23,84.3 JP8#8.2 158.66,80.69 v1(157.71,79.74) ; v1(100.06,126.91) 100.69,127.55 JP2#6.2 ; 55.63,127.98 JP8#4.2 56.06,124.37 v1(55.11,123.42) ; v1(106.41,36.06) 107.36,37.01 JP8#5.2 106.93,40.62 ; v1(151.36,83.23) 151.99,83.87 JP2#3.2 ; JP2#8.2 151.99,127.55 v1(151.36,126.91) ; JP5#3.2 53.84,83.87 v1(53.21,83.23) ; JP2#7.2 100.69,83.87 v1(100.06,83.23) ; 158.23,40.62 JP8#7.2 158.66,37.01 v1(157.71,36.06) ; v1(100.06,39.55) 100.69,40.19 JP2#5.2 ; JP5#2.2 53.84,127.55 v1(53.21,126.91) ; JP5#4.2 156.44,127.55 v1(155.8,126.91) ; v1(55.11,36.06) 56.06,37.01 JP8.2 55.63,40.62 ; v1(151.36,39.55) 151.99,40.19 JP2#2.2 ; v1(155.8,39.55) 156.44,40.19 JP5#7.2 ; v1(157.71,123.42) 158.66,124.37 JP8#9.2 158.23,127.98 ; JP5.2 105.14,40.19 v1(104.5,39.55) ; 55.63,84.3 JP8#2.2 56.06,80.69 v1(55.11,79.74) ; v1(53.21,39.55) 53.84,40.19 JP5#9.2 ; v1(155.8,83.23) 156.44,83.87 JP5#6.2 ; v1(104.5,126.91) 105.14,127.55 JP5#8.2
  Bottom w0.406: v1(23.36,53.04) JP9#2.2 ; JP4#5.1 v1(19.87,125.01) ; JP4#4.1 v1(71.17,125.01) ; v1(74.66,96.72) JP9#9.2 ; JP4#7.1 v1(122.47,37.65) ; v1(74.66,53.04) JP9#5.2 ; JP4#3.1 v1(19.87,81.33) ; v1(125.96,96.72) JP9#6.2 ; JP4.1 v1(19.87,37.65) ; JP4#9.1 v1(122.47,81.33) ; JP4#2.1 v1(122.47,125.01) ; v1(125.96,53.04) JP9#8.2 ; v1(74.66,9.36) JP9#4.2 ; v1(23.36,9.36) JP9.2 ; JP4#6.1 v1(71.17,81.33) ; v1(23.36,96.72) JP9#3.2 ; v1(125.96,9.36) JP9#7.2 ; JP4#8.1 v1(71.17,37.65)
3V3_EN: length 330.6
  Top w0.178: J11#8.5 100.06,54.66 98.47,56.25 98.14,56.25 ; 151.36,51.8 151.36,54.66 149.77,56.25 149.44,56.25 ; 46.84,12.56 46.84,12.9 46.84,12.9 D12#2.4 ; 46.84,12.56 v1(46.22,12.56) ; 46.84,12.56 47.17,12.56 48.76,10.98 J11#4.5 ; v1(29.08,65.14) 28.95,65.26 R9#3.1 27.68,67.68 U2#5.3 ; v1(148.82,56.25) 149.44,56.25 ; 149.44,56.25 149.44,56.58 149.44,56.58 D12#5.4 ; 151.36,95.48 151.36,98.34 149.77,99.93 149.44,99.93 ; U2#4.3 130.28,67.68 R9#7.1 131.55,65.26 v1(131.68,65.14) ; D12#3.4 46.84,100.26 46.84,100.26 46.84,99.93 ; v1(131.68,21.45) 131.55,21.58 R9#8.1 130.28,24 U2#8.3 ; 98.14,99.93 98.14,100.26 98.14,100.26 D12.4 ; 98.14,99.93 v1(97.52,99.93) ; 98.14,99.93 98.47,99.93 100.06,98.34 J11#9.5 ; 98.14,12.56 98.14,12.9 98.14,12.9 D12#7.4 ; 98.14,12.56 v1(97.52,12.56) ; 98.14,12.56 98.47,12.56 100.06,10.98 J11#6.5 ; J11#7.5 48.76,98.34 47.17,99.93 46.84,99.93 ; U2.3 27.68,24 R9.1 28.95,21.58 v1(29.08,21.45) ; v1(29.08,108.81) 28.95,108.94 R9#4.1 27.68,111.36 U2#6.3 ; v1(46.22,99.93) 46.84,99.93 ; v1(148.82,99.93) 149.44,99.93 ; 149.44,99.93 149.44,100.26 149.44,100.26 D12#8.4 ; D12#6.4 149.44,12.9 149.44,12.9 149.44,12.56 ; 151.36,8.12 151.36,10.98 149.77,12.56 149.44,12.56 ; v1(148.82,12.56) 149.44,12.56 ; v1(97.52,56.25) 98.14,56.25 ; 98.14,56.25 98.14,56.58 98.14,56.58 D12#9.4 ; v1(80.38,108.81) 80.25,108.94 R9#6.1 78.97,111.36 U2#3.3 ; v1(80.38,21.45) 80.25,21.58 R9#5.1 78.97,24 U2#2.3 ; 46.84,56.25 47.17,56.25 48.76,54.66 J11#5.5 ; 46.84,56.25 v1(46.22,56.25) ; 46.84,56.25 46.84,56.58 46.84,56.58 D12#4.4 ; v1(131.68,108.81) 131.55,108.94 R9#9.1 130.28,111.36 U2#9.3 ; v1(80.38,65.14) 80.25,65.26 R9#2.1 78.97,67.68 U2#7.3
  Bottom w0.178: v1(46.22,12.56) 45.9,12.25 40.06,12.25 33.31,12.25 33.1,12.45 32.67,12.45 32.46,12.25 30.34,12.25 29.08,13.52 v1(29.08,21.45) ; v1(131.68,21.45) 131.68,13.52 132.94,12.25 135.06,12.25 135.27,12.45 135.7,12.45 135.91,12.25 148.5,12.25 v1(148.82,12.56) ; v1(97.52,56.25) 97.2,55.93 91.36,55.93 84.61,55.93 84.4,56.13 83.97,56.13 83.76,55.93 81.65,55.93 80.38,57.2 v1(80.38,65.14) ; v1(148.82,56.25) 148.5,55.93 142.66,55.93 135.91,55.93 135.7,56.13 135.27,56.13 135.06,55.93 132.94,55.93 131.68,57.2 v1(131.68,65.14) ; v1(46.22,99.93) 45.9,99.61 40.06,99.61 33.31,99.61 33.1,99.81 32.67,99.81 32.46,99.61 30.34,99.61 29.08,100.88 v1(29.08,108.81) ; v1(29.08,65.14) 29.08,57.2 30.34,55.93 32.46,55.93 32.67,56.13 33.1,56.13 33.31,55.93 45.9,55.93 v1(46.22,56.25) ; v1(80.38,21.45) 80.38,13.52 81.65,12.25 83.76,12.25 83.97,12.45 84.4,12.45 84.61,12.25 97.2,12.25 v1(97.52,12.56) ; v1(80.38,108.81) 80.38,100.88 81.65,99.61 83.76,99.61 83.97,99.81 84.4,99.81 84.61,99.61 97.2,99.61 v1(97.52,99.93) ; v1(131.68,108.81) 131.68,100.88 132.94,99.61 135.06,99.61 135.27,99.81 135.7,99.81 135.91,99.61 148.5,99.61 v1(148.82,99.93)
5V: length 194
  Top w0.178: v1(77.2,25.9) 77.2,23.04 77.52,22.73 R9#5.2 ; R9#9.2 128.82,110.09 128.5,110.4 v1(128.5,113.26) ; R9#3.2 26.22,66.41 25.9,66.72 v1(25.9,69.58) ; R9#8.2 128.82,22.73 128.5,23.04 v1(128.5,25.9) ; R9#2.2 77.52,66.41 77.2,66.72 v1(77.2,69.58) ; v1(77.2,113.26) 77.2,110.4 77.52,110.09 R9#6.2 ; v1(25.9,113.26) 25.9,110.4 26.22,110.09 R9#4.2 ; v1(128.5,69.58) 128.5,66.72 128.82,66.41 R9#7.2 ; R9.2 26.22,22.73 25.9,23.04 v1(25.9,25.9)